# Altium PCB FMC_HPC_TO_LPC_BREAKOUT.PcbDoc (part 1 of 3)
Units mm, origin at the board's own origin, x right, y up, seen from the top; angles counter-clockwise.
Board outline 78.8 x 69 mm, 6 copper layers (Component Side L1, Layer 2, Layer 3, Layer 4, Layer 5, Bottom Layer L6), stack 1.527 mm thick; 19 components, 400 nets, 980 pads, 723 vias.
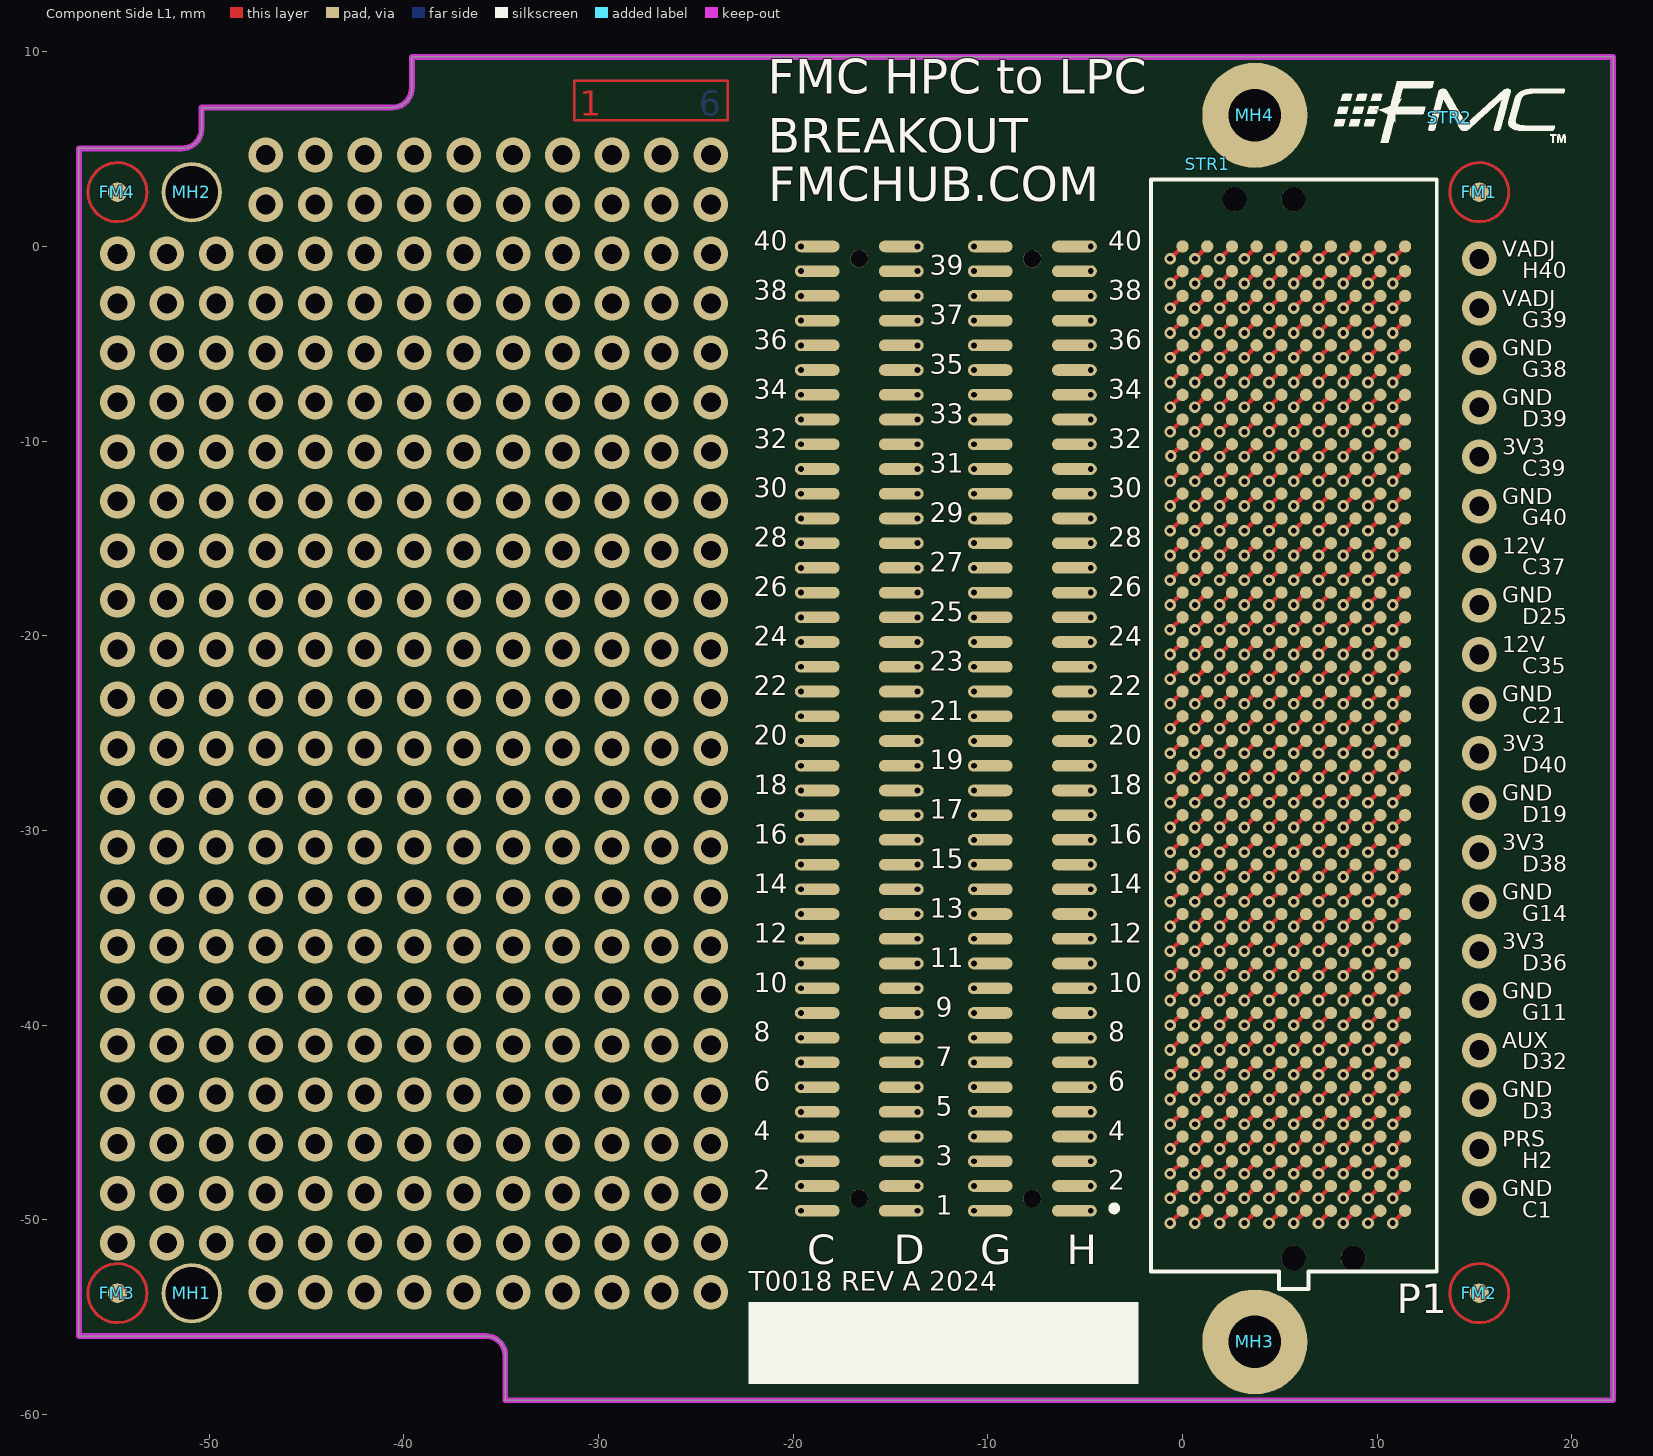
[diagram p0: Component Side L1 view]
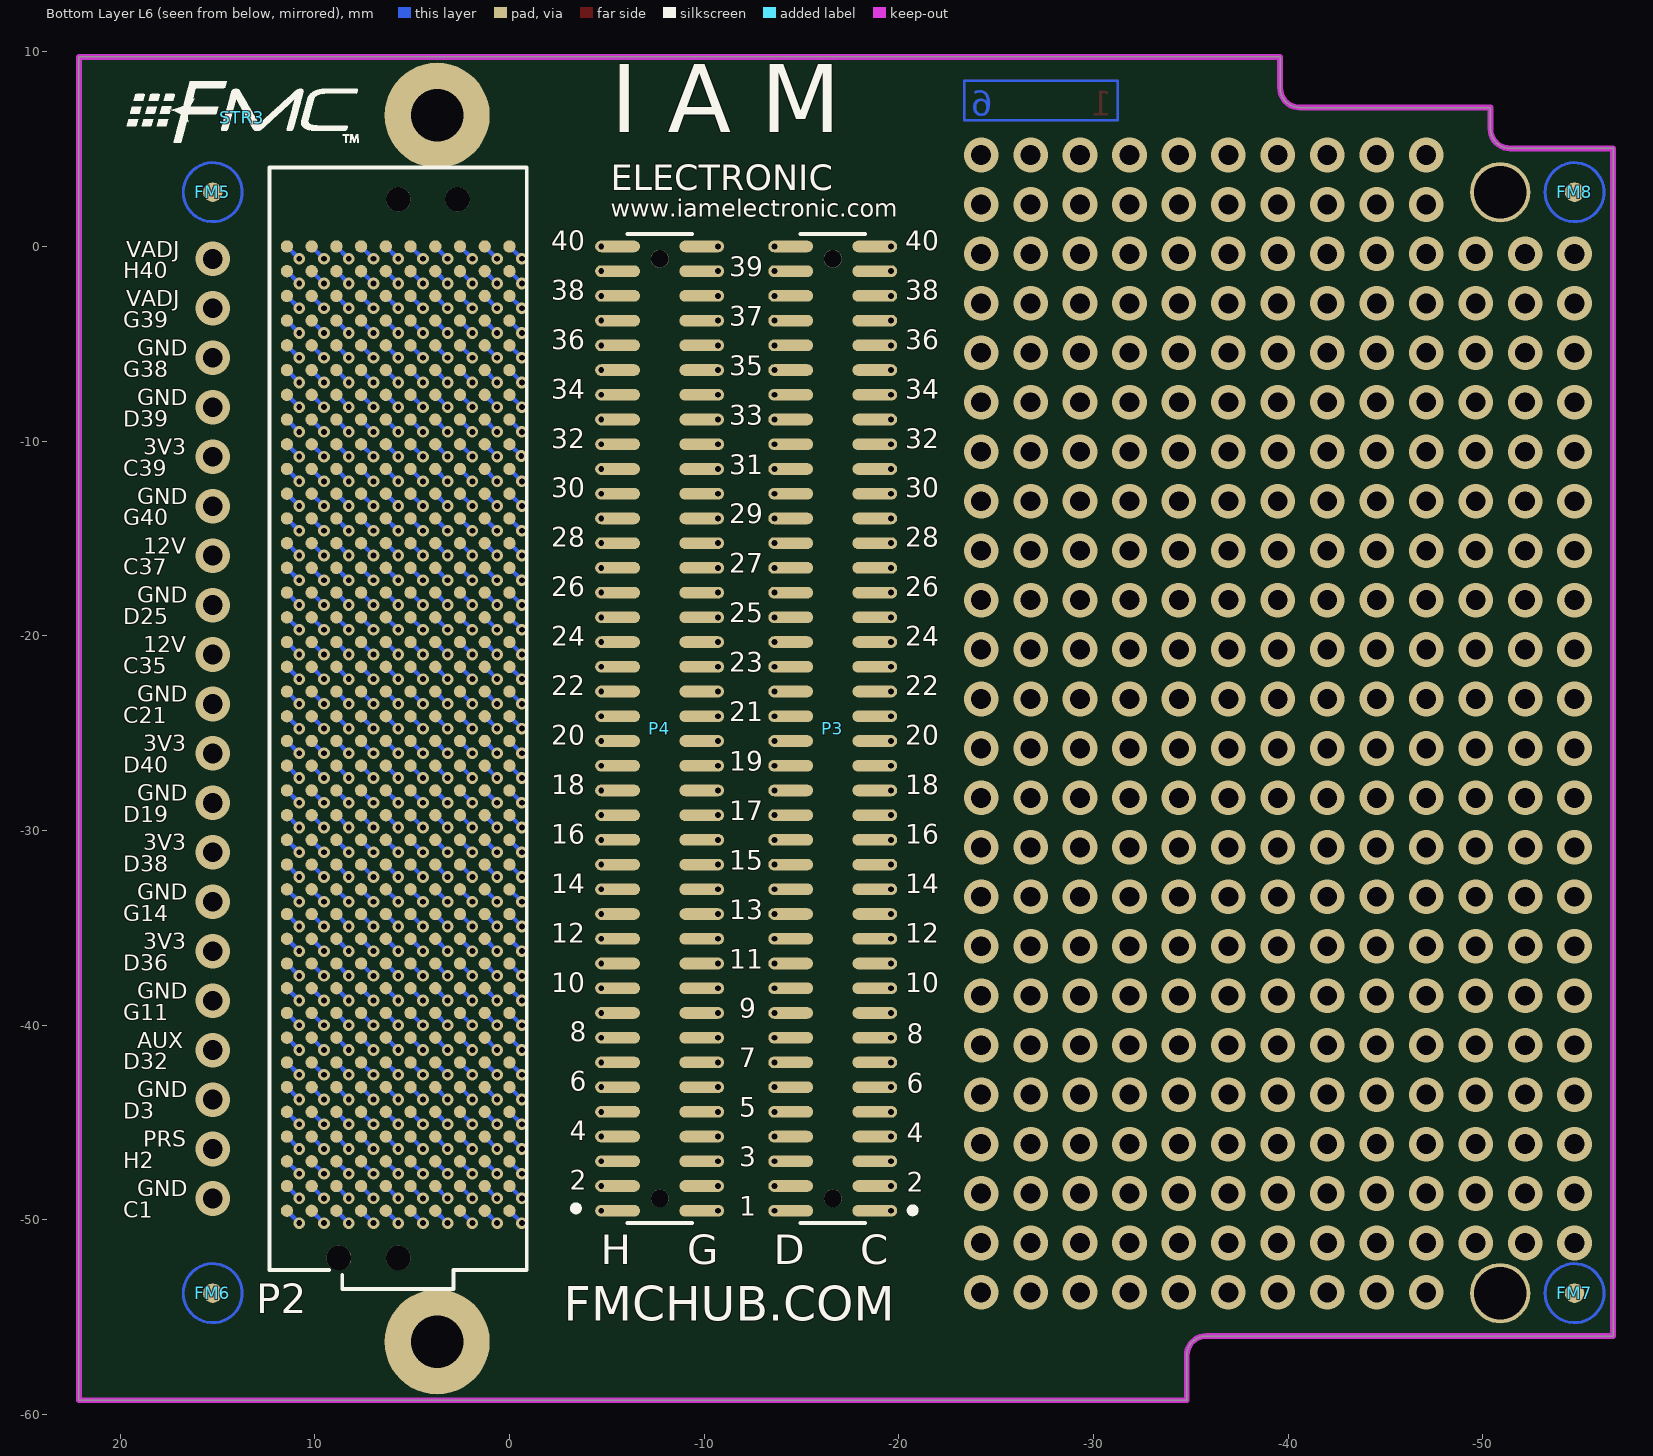
[diagram p1: Bottom Layer L6 view, seen from below]
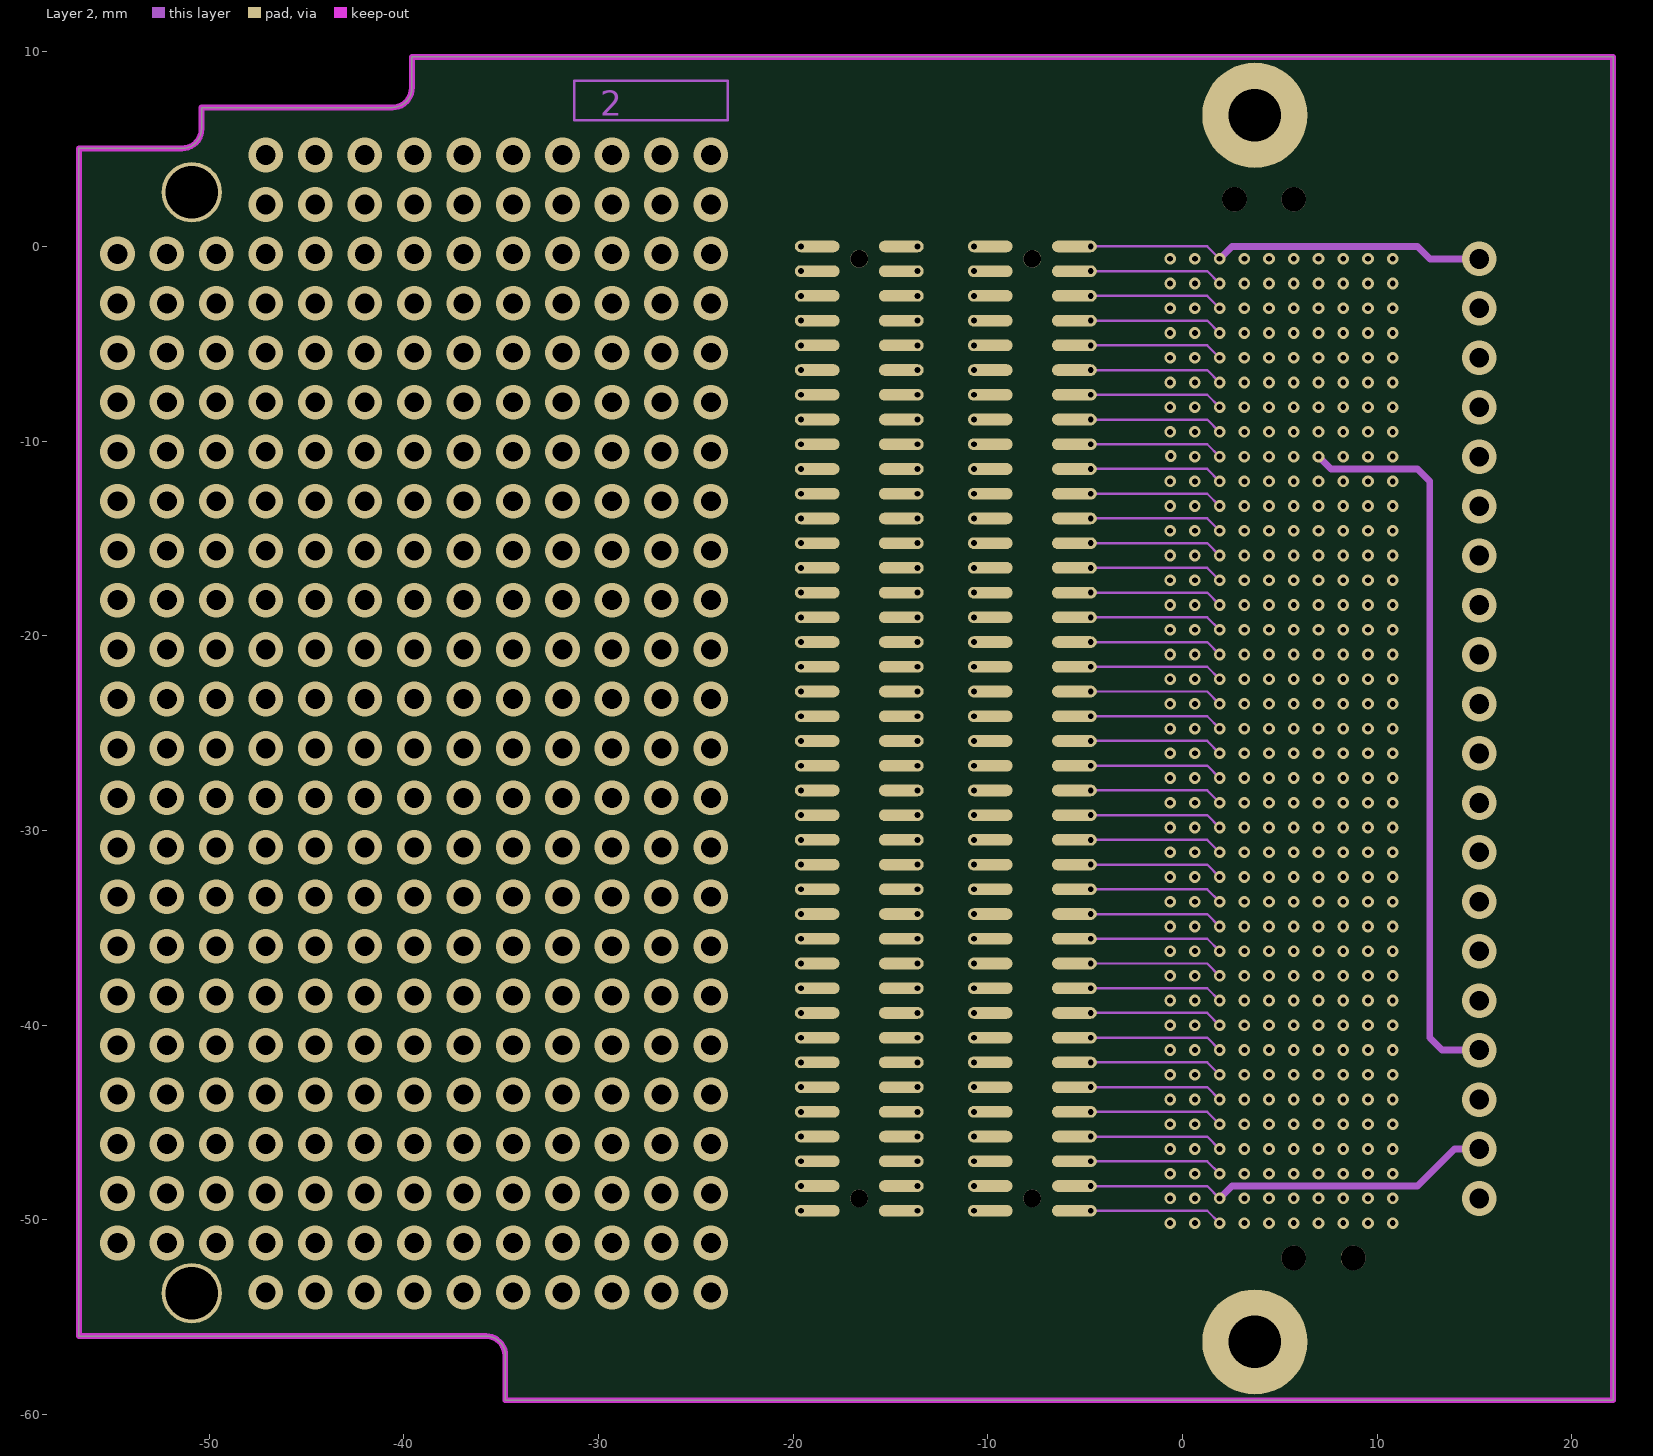
[diagram p2: Layer 2]
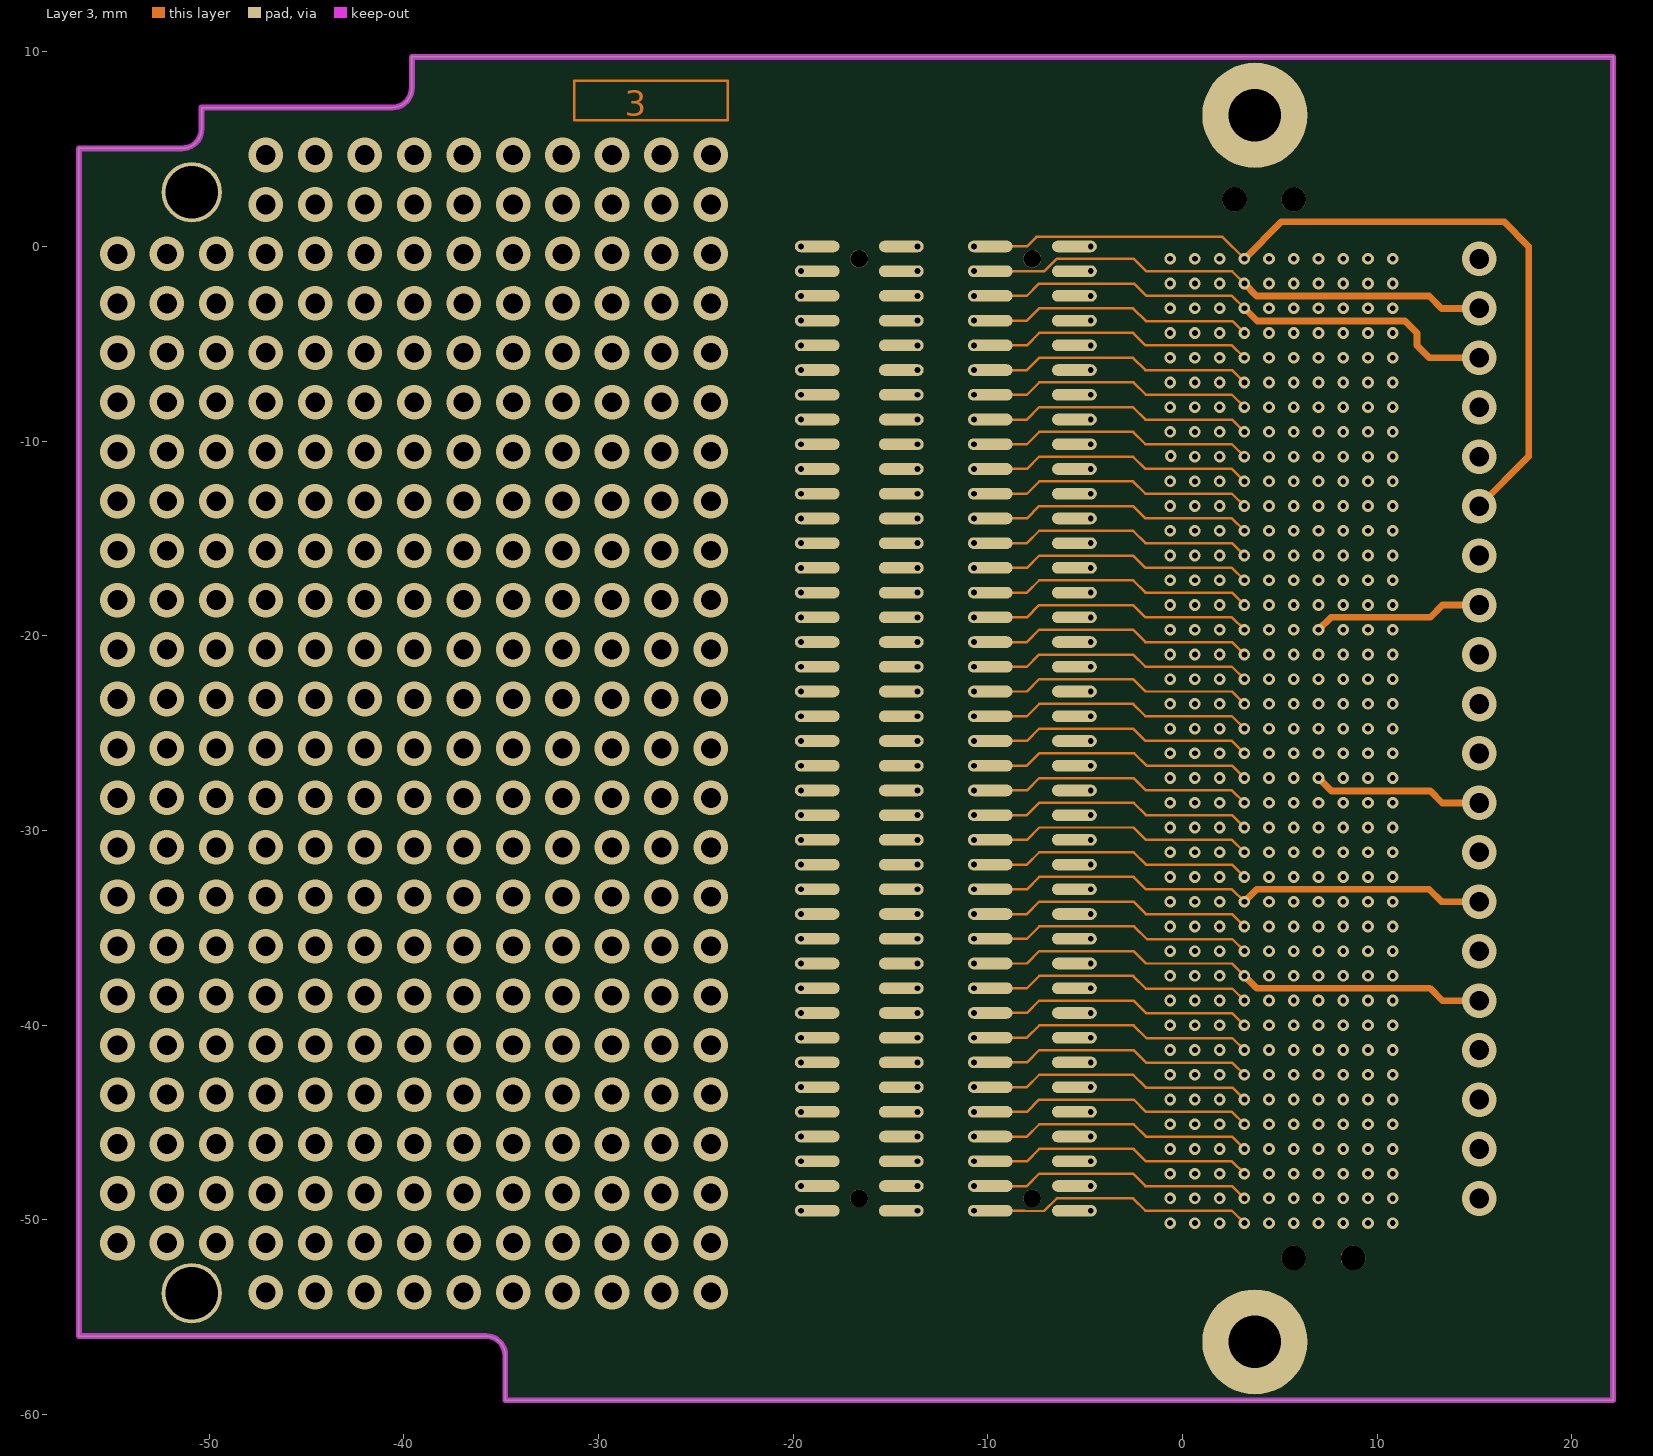
[diagram p3: Layer 3]
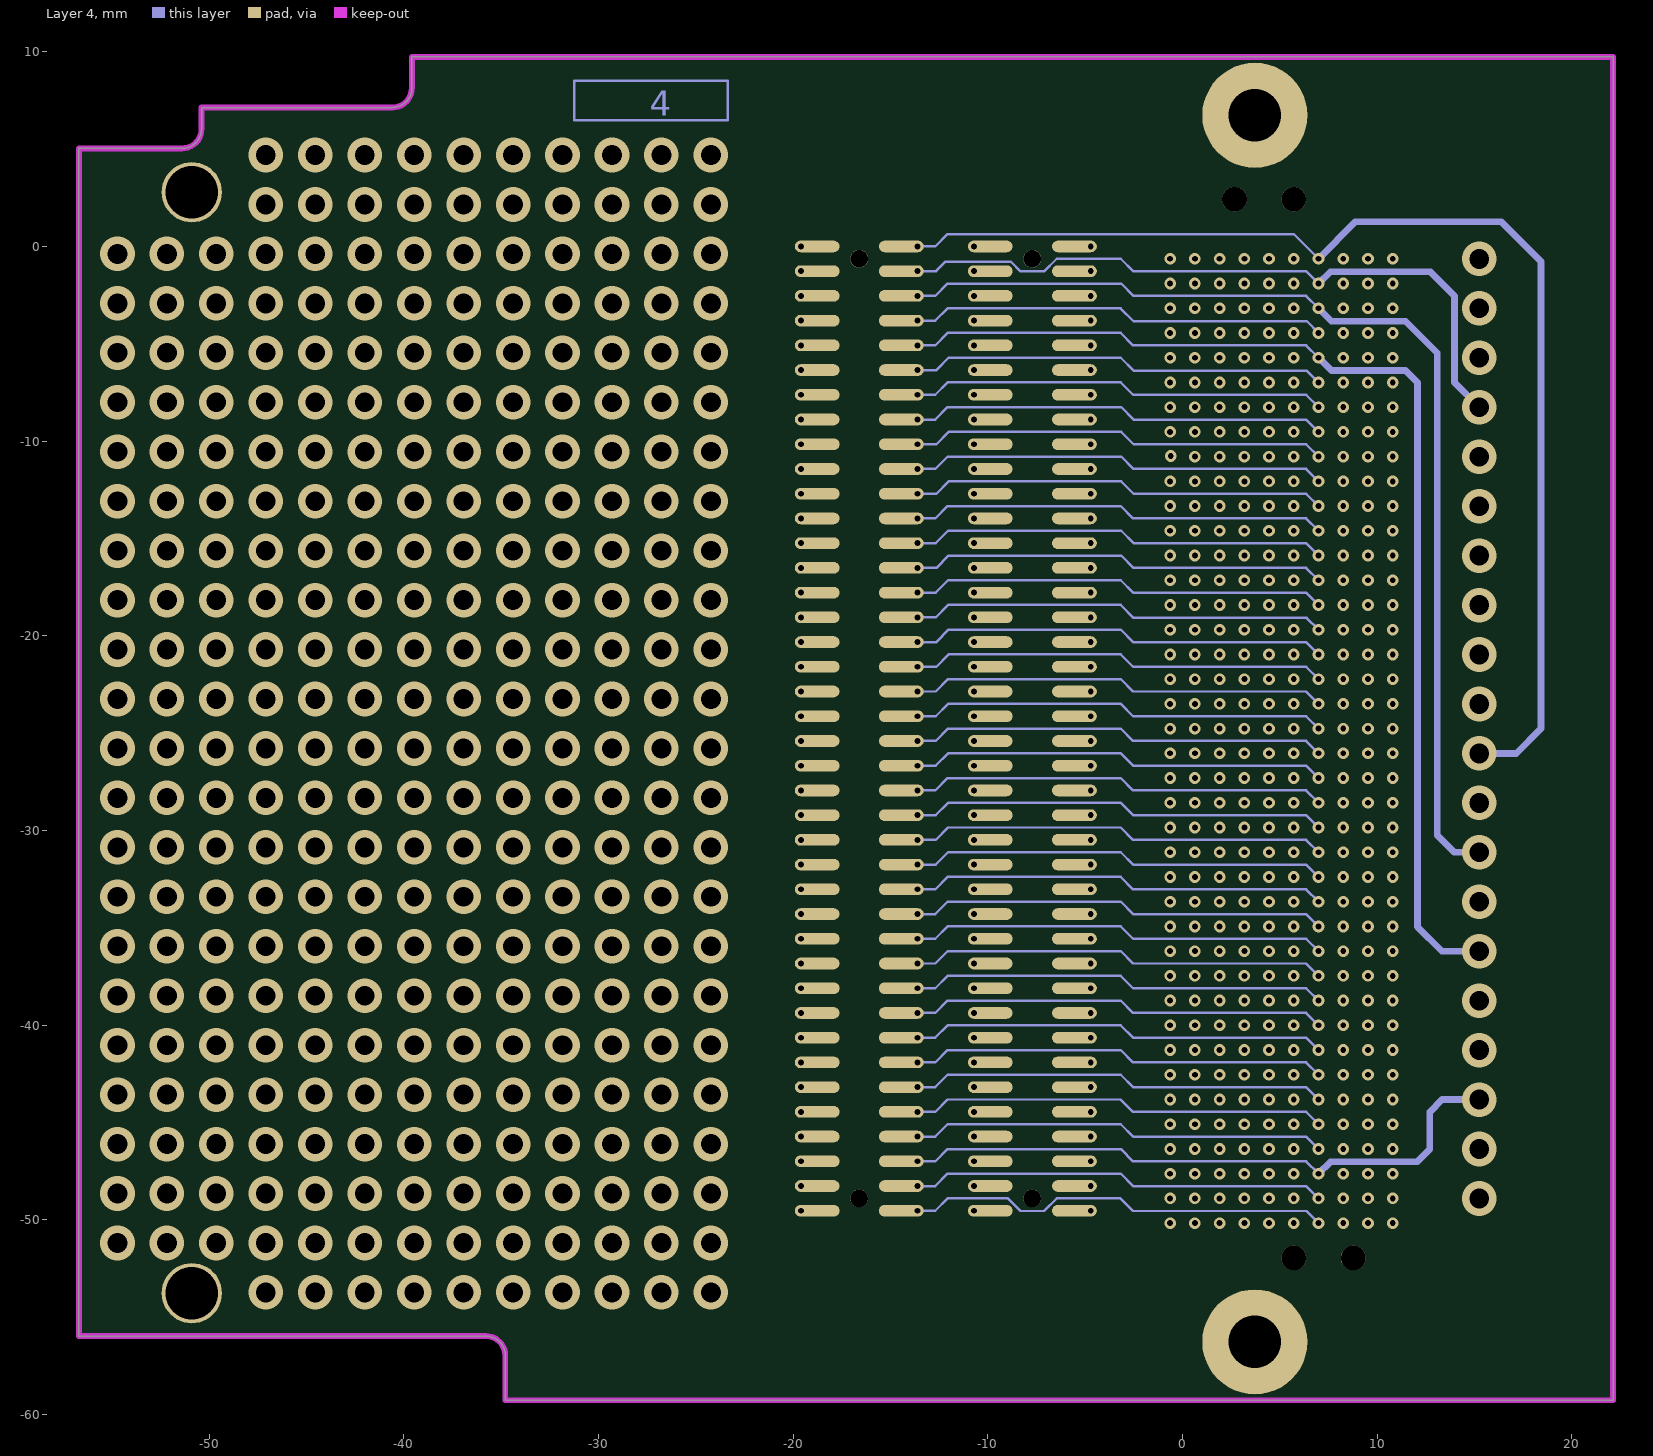
[diagram p4: Layer 4]
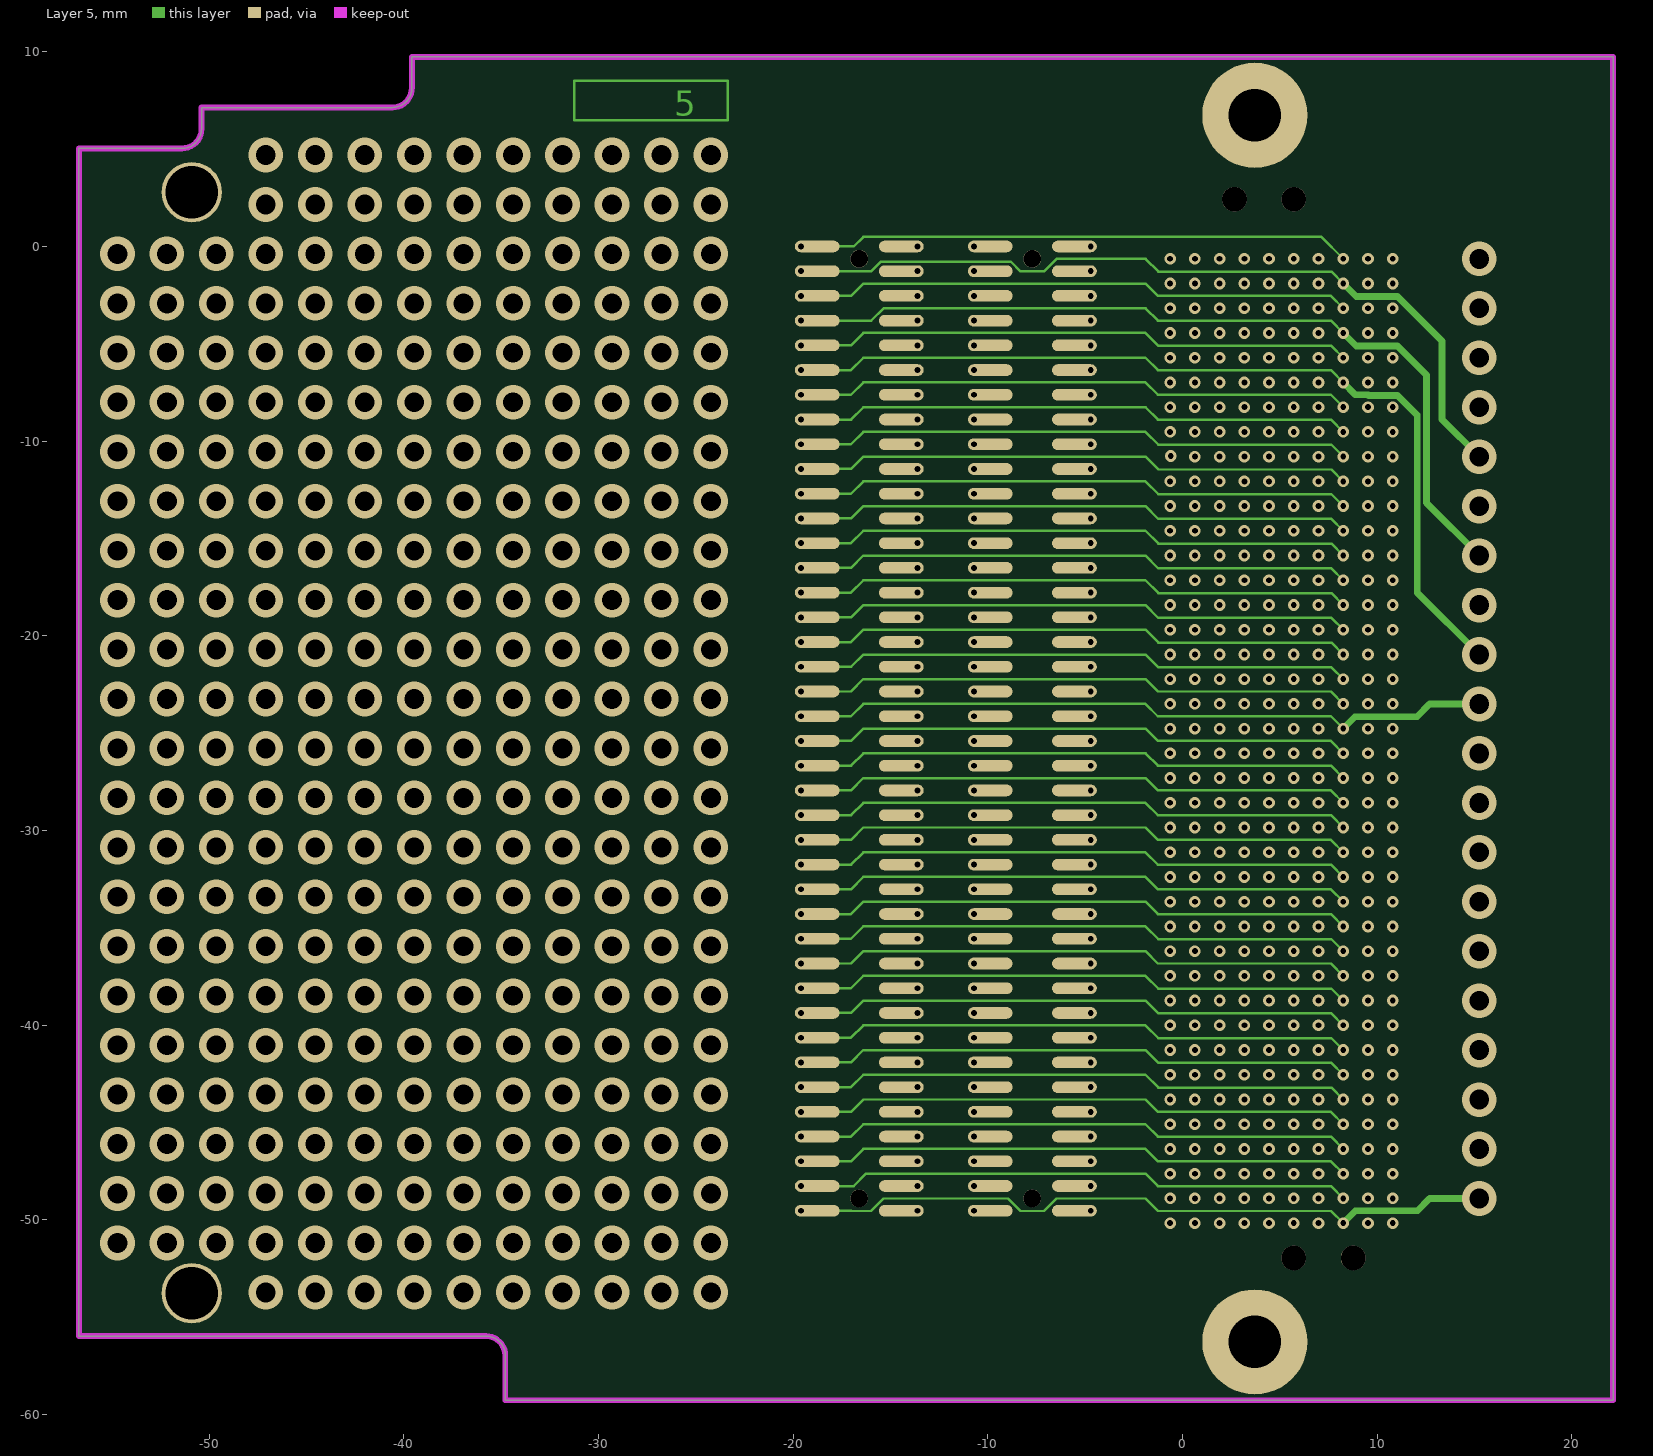
[diagram p5: Layer 5]
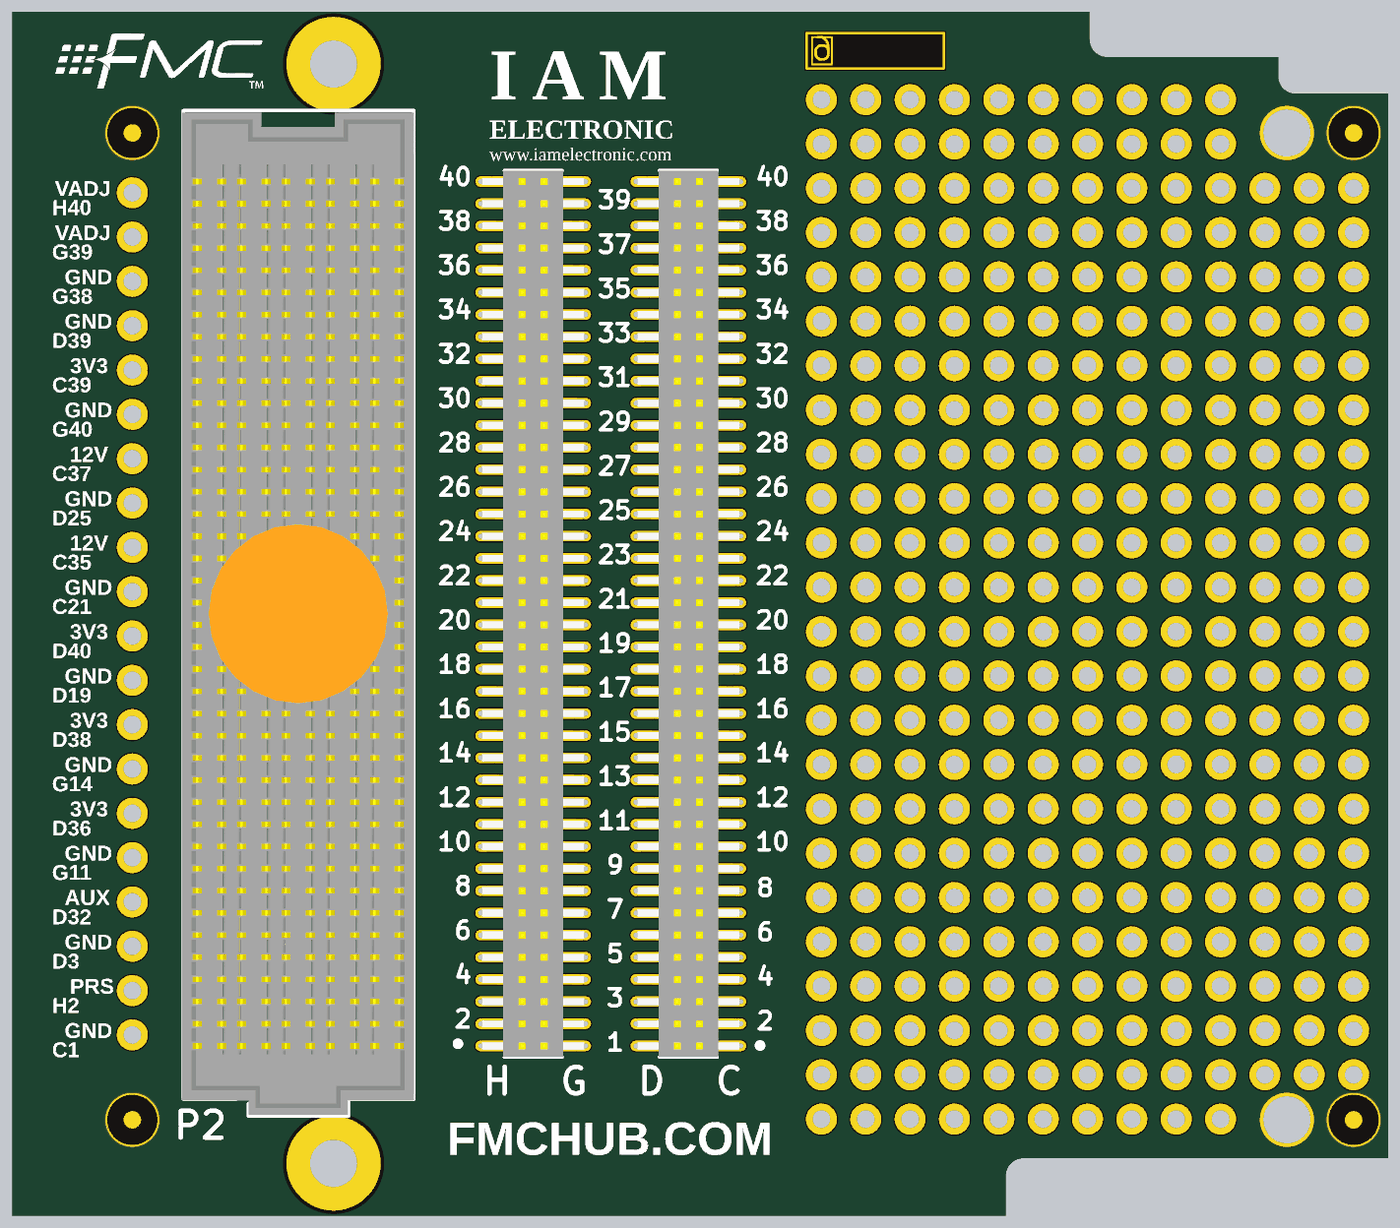
[diagram p8: 3D render of the assembled board from below, using the file's embedded part models]

## Layer stack, top to bottom
Top Solder: solder mask 0.0102, Solder Resist, Dk 3.5
Component Side L1: signal copper 0.0356
Dielectric 2: prepreg 0.13, PP-006, Dk 4.45
Layer 2: signal copper 0.035
Dielectric 4: core 0.43, Core-009, Dk 4.6
Layer 3: signal copper 0.035
Dielectric 1: prepreg 0.196, PP-021, Dk 4.74
Layer 4: signal copper 0.035
Dielectric 5: core 0.43, Core-009, Dk 4.6
Layer 5: signal copper 0.035
Dielectric 3: prepreg 0.13, PP-006, Dk 4.45
Bottom Layer L6: signal copper 0.0356
Solder Side: solder mask 0.0102, Solder Resist, Dk 3.5

## Board outline
-56.685,-55.965 -56.685,5.035 -51.385,5.035 ccw(c-51.385,6.035) -50.385,6.035 -50.385,7.135 -40.585,7.135 ccw(c-40.585,8.135) -39.585,8.135 -39.585,9.735 22.115,9.735 22.115,-59.265 -34.785,-59.265 -34.785,-56.965 ccw(c-35.785,-56.965) -35.785,-55.965

## Design rules (kind name [scope] priority, off if disabled: settings)
AcuteAngle [All] p1: minimum=6.00000000000000E+0001 checktracksonly=FALSE
Clearance Clearance_Keepout [All vs OnLayer('Keep-Out Layer')] p1: gap=0.15 ignorepadtopadclearanceinfootprint=FALSE
Clearance [All] p2: gap=0.127 ignorepadtopadclearanceinfootprint=FALSE
DiffPairsRouting [All] p1: maxlimit=10 minlimit=0.15 mostfreqgap=0.2 toplayer_mingap=0.2 toplayer_minwidth=0.2 toplayer_maxwidth=10 toplayer_prefwidth=0.381 midlayer1_mingap=0.2 midlayer1_minwidth=0.2 midlayer1_maxwidth=10 midlayer1_prefwidth=0.381 midlayer2_mingap=0.2 midlayer2_minwidth=0.2 midlayer2_maxwidth=10 midlayer2_prefwidth=0.381 midlayer3_prefgap=0.15 midlayer3_minwidth=0.2 midlayer3_maxwidth=10 midlayer3_prefwidth=0.381 midlayer4_prefgap=0.15 midlayer4_minwidth=0.2 midlayer4_maxwidth=10 midlayer4_prefwidth=0.381 bottomlayer_mingap=0.2 bottomlayer_minwidth=0.2 bottomlayer_maxwidth=10 bottomlayer_prefwidth=0.381 maxuncoupledlength=12.7
FabricationTestPointUsage FabricationTestPointUsage_1 [All] p1: valid=0 allowmultiple=FALSE
FabricationTestpoint FabricationTestpoint_1 [All] p1: side=3 testpointundercomponent=TRUE minsize=1.016 maxsize=2.54 preferedsize=1.524 minholesize=0 maxholesize=1.016 preferedholesize=0.813 testpointgrid=0.025 allowsidetop=TRUE allowsidebottom=TRUE usegrid=TRUE gridtolerance=0
HoleSize [All] p1: absolutevalues=TRUE maxlimit=6 minlimit=0.3 maxpercent=80.000 minpercent=20.000
HoleSize FabricationTestpoint [All] p2 off: absolutevalues=TRUE maxlimit=2.54 minlimit=0.025 maxpercent=80.000 minpercent=20.000
HoleSize FabricationTestPointUsage [All] p3 off: absolutevalues=TRUE maxlimit=2.54 minlimit=0.025 maxpercent=80.000 minpercent=20.000
HoleToHoleClearance [All] p1: gap=0.3 allowstackedmicrovias=TRUE
MinimumAnnularRing [All] p1: minimumring=0.15
MinimumSolderMaskSliver [All] p1: minsoldermaskwidth=0.05
NetAntennae [All] p1 off: netantennaetolerance=0
PlaneClearance [All] p1: clearance=0.4
PlaneConnect [All] p1: planeconnectstyle=Direct reliefexpansion=0.4 reliefentries=4 reliefconductorwidth=0.15 reliefairgap=0.15
PolygonConnect [All] p1: connectstyle=Relief reliefconductorwidth=0.254 reliefentries=4 polygonreliefangle="90 Angle" airgapwidth=0.254
RoutingCorners [All] p1: cornerstyle=45-Degree minsetback=1.5 maxsetback=1.5
RoutingVias [All] p1: holewidth=0.3 width=0.6 viastyle="Through Hole" minholewidth=0.3 minwidth=0.45 maxholewidth=0.45 maxwidth=0.75
SilkToSilkClearance [All] p1: silktosilkclearance=0.178
SilkToSolderMaskClearance [IsPad] p1: minsilkscreentomaskgap=0.1 clearancetoexposedcopper=TRUE
SolderMaskExpansion [All] p1: expansion=0.075 istentingtop=FALSE
Width [All] p1: maxlimit=12.7 minlimit=0.127 preferedwidth=0.127
18 further rules are at their usual default settings.

## Classes and differential pairs
component class FMC_HPC_TO_LPC_BREAKOUT_ROW_HPC1: P1 P2
